# Altium PCB bqCNC.PcbDoc (part 4 of 6)
Units mm, origin at the board's own origin, x right, y up, seen from the top; angles counter-clockwise.
Board outline 136 x 100 mm, 4 copper layers (Top Layer, Power Layer, Signal Layer 1, GND Layer), stack 1.584 mm thick; 429 components, 259 nets, 1361 pads, 782 vias.
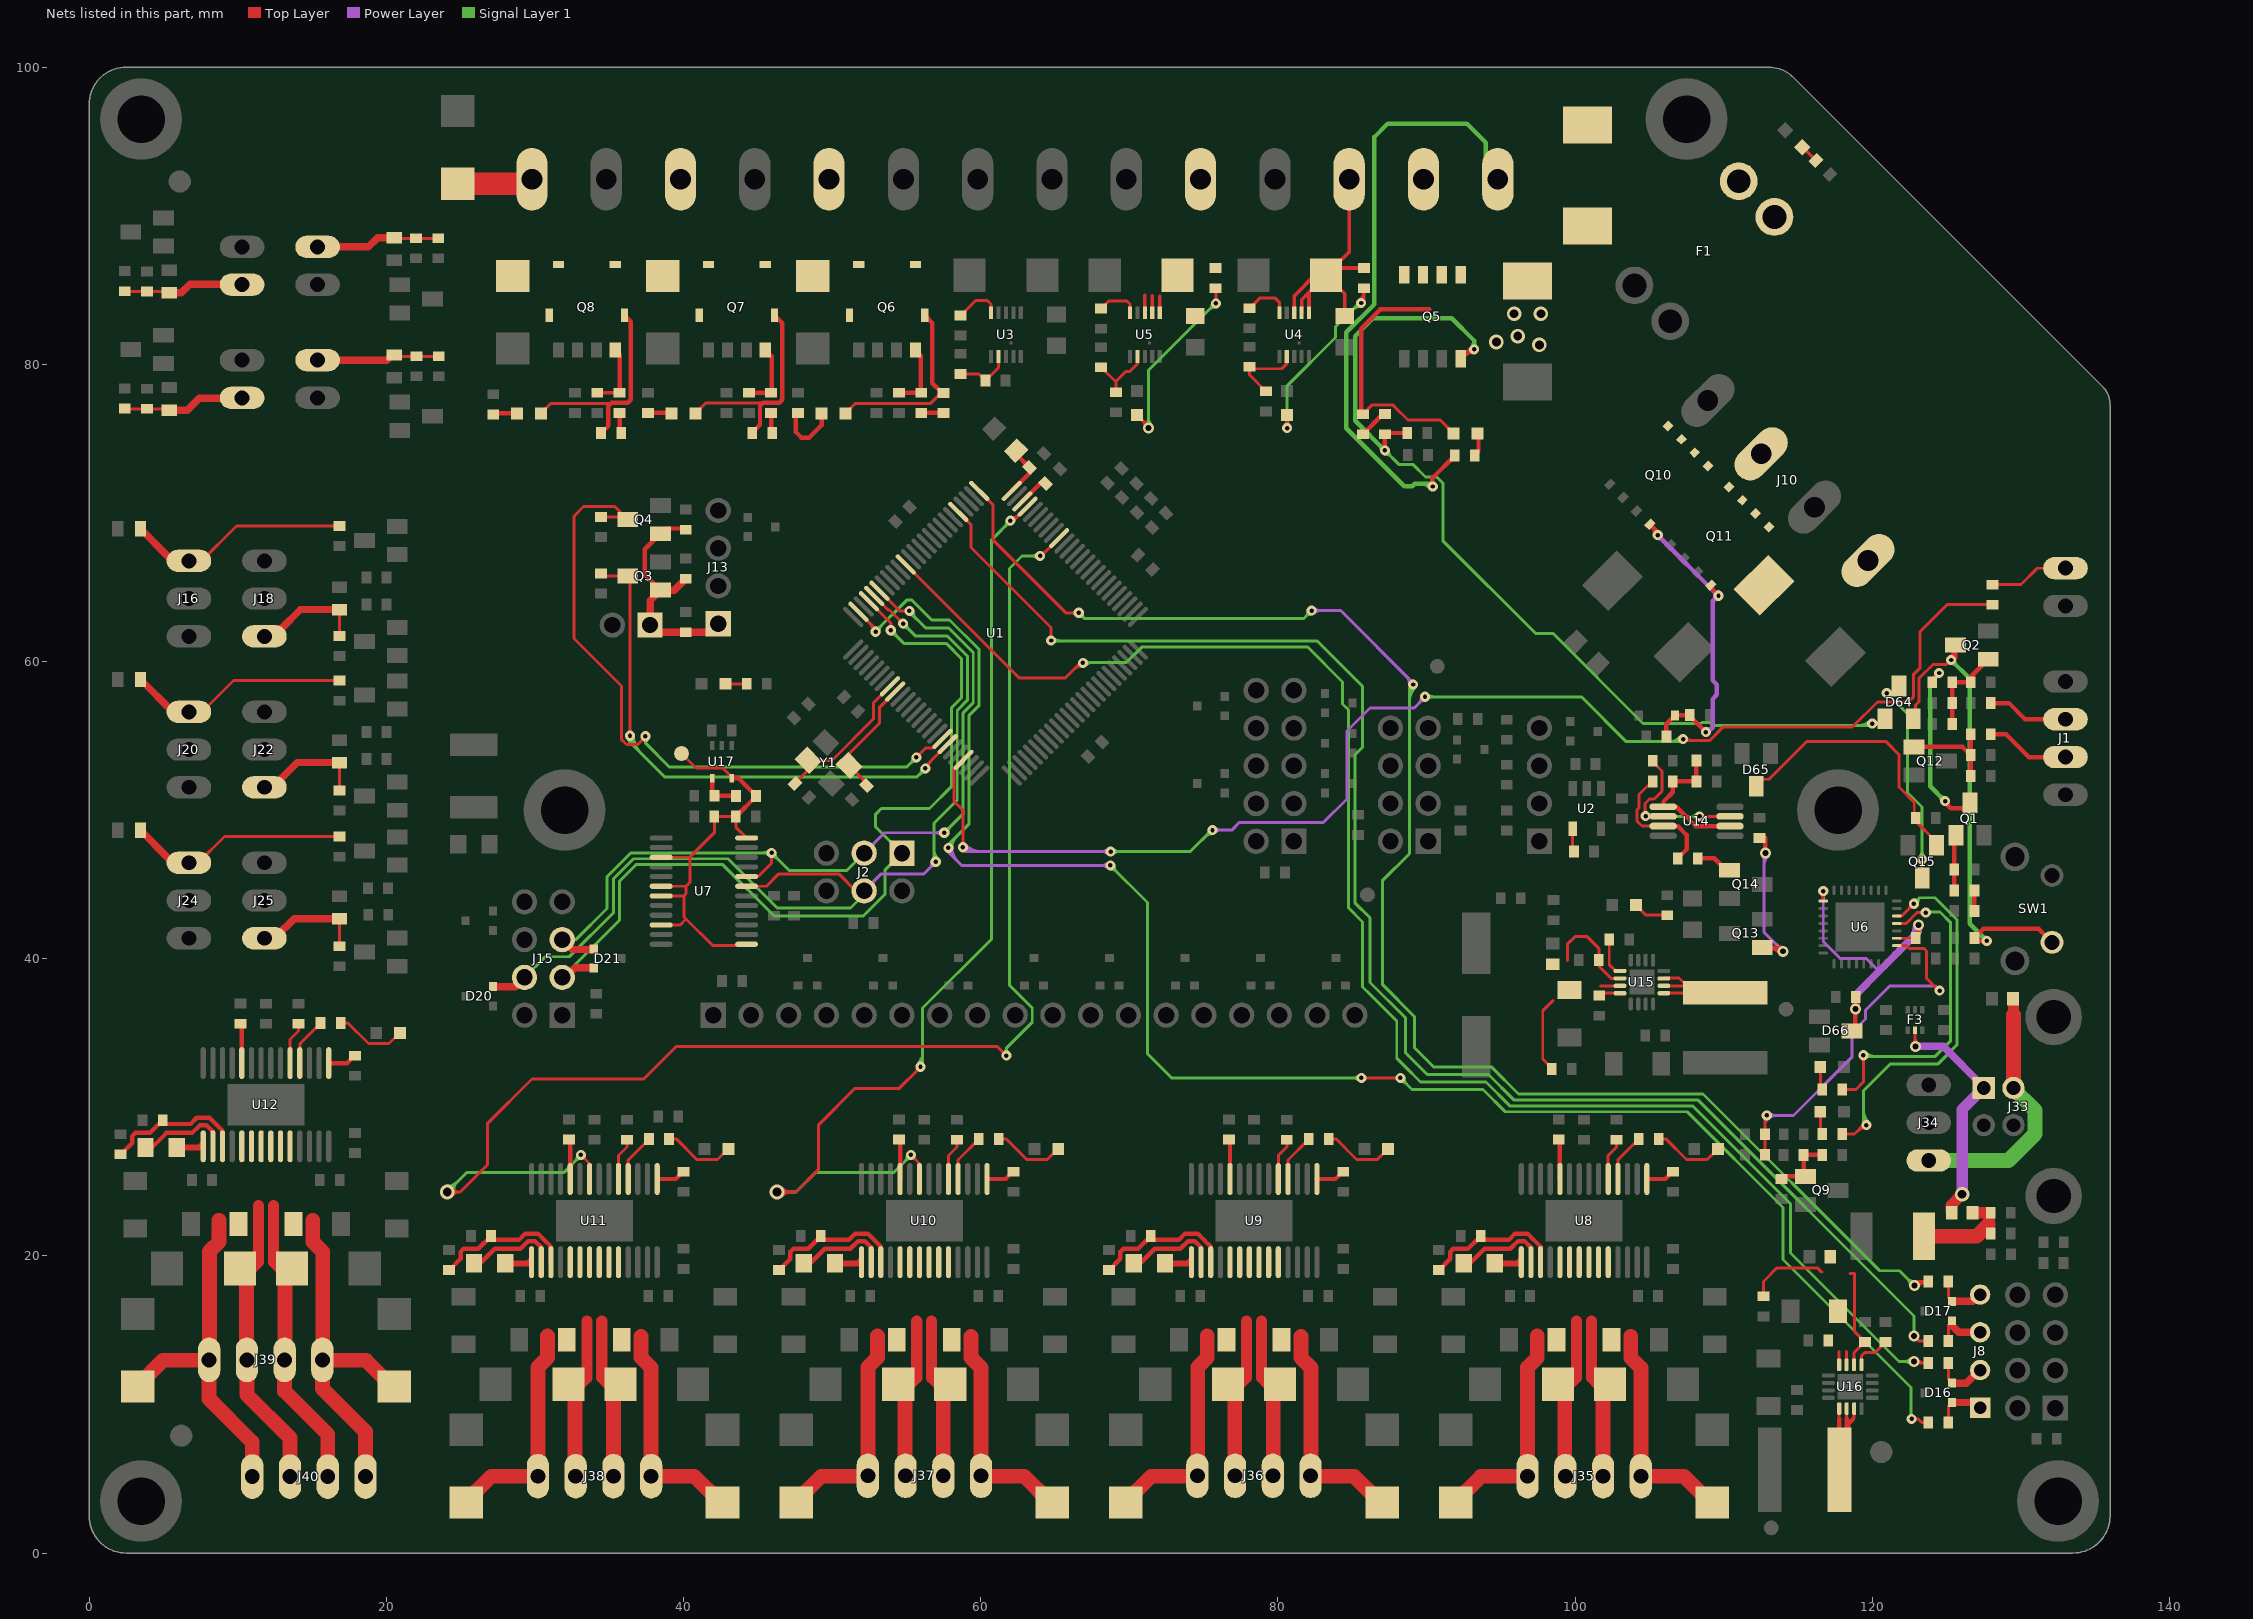
[diagram p6: the nets of this part, all layers, seen from the top]

## Via types
v1: diameter 0.66/0.74/0.74/0.66 (per signal layer), hole 0.4, Top Layer to GND Layer, 361 vias
v2: diameter 0.56/0.68/0.68/0.56 (per signal layer), hole 0.3, Top Layer to GND Layer, 323 vias
v3: diameter 0.86/0.98/0.98/0.86 (per signal layer), hole 0.6, Top Layer to GND Layer, 76 vias
v4: diameter 1, hole 0.6, Top Layer to GND Layer, tented bottom, 20 vias
v5: diameter 0.56/0.68/0.68/0.56 (per signal layer), hole 0.4, Top Layer to GND Layer, 1 vias
v6: diameter 0.56, hole 0.3, Top Layer to GND Layer, 1 vias

## Nets (pads, with @x,y where several pads share a name; then routed paths per layer and width w, separated by ;. In a path a pad name is that pad's centre, name@x,y a point inside that pad or via, vN(x,y) a via of type N, cw(c..) or ccw(c..) an arc to the next point about the centre after c; other vN are vias at no path point) (continued)
HBP_LOCK: C35.1 D64.1 Q5.4 R41.2 | length 71.5
  Top Layer w0.2: v2(120,55.825) 120.54,55.825 D64.1@120.859,56.144 ; v2@120.127,55.698 cw(c120.435,55.39) 120.435,55.825 cw(c120.435,56.26) v2@120.127,55.952
  Top Layer w0.3: v2@87.108,74.292 ccw(c86.886,74.514) 87.2,74.514 ccw(c87.514,74.514) v2@87.292,74.292 ; v2(87.2,74.2) C35.1@87.2,75.3 ; C35.1@87.2,75.4 87.225,75.375 R41.2@88.7,75.375 ; R41.2@88.6,75.5 R41.2@88.7,75.6 ; Q5.4@92.305,80.375 92.93,81 v2(93.2,81) ; Q5.4@92.517,80.587 cw(c93.2,79.904) v2@93.2,80.87
  Signal Layer 1 w0.2: v2@87.2,73.96 cw(c87.2,73.381) 87.61,73.79 cw(c88.019,74.2) v2@87.44,74.2 ; v2(87.2,74.2) 88.13,73.27 89.078,73.27 89.933,72.415 90.69,72.415 91.1,72.005 91.1,68.125 97.35,61.875 98.525,61.875 104.575,55.825 108.47,55.825 108.535,55.89 109.065,55.89 109.255,55.7 119.875,55.7 v2(120,55.825) ; 119.119,55.7 ccw(c119.119,56.706) v2@119.83,55.995 ; 119.602,55.7 ccw(c119.602,56.223) v2@119.972,55.853
  Signal Layer 1 w0.3: v2@87.01,74.2 ccw(c86.551,74.2) 86.876,74.524 ccw(c87.2,74.849) v2@87.2,74.39 ; v2(87.2,74.2) 85.2,76.2 85.2,81.9 86.4,83.1 91.7,83.1 93.2,81.6 v2(93.2,81) ; v2@93.066,81.134 ccw(c92.741,81.459) 93.2,81.459 ccw(c93.659,81.459) v2@93.334,81.134
MISO: D21.2 J2.1 J15.3 U1.22 | length 61.9
  Top Layer w0.2: U1.22@52.479,64.057 53.95,62.586 v2(53.95,62.1) ; v2@53.823,62.227 ccw(c53.515,62.535) 53.95,62.535 ccw(c54.385,62.535) v2@54.077,62.227
  Top Layer w0.5: J15.3@31.84,38.74 32.04,38.74 32.7,39.4 33.923,39.4 D21.2@33.963,39.36
  Signal Layer 1 w0.2: J15.3@31.84,38.74 35.705,42.605 35.705,45.23 36.8,46.325 42.65,46.325 46.1,42.875 52.101,42.875 53.55,44.324 53.55,45.95 J2.1@54.7,47.1 52.935,48.865 52.935,49.725 53.31,50.1 56.55,50.1 58.024,51.574 58.024,56.874 58.7,57.55 58.7,60.2 57.675,61.225 54.825,61.225 v2(53.95,62.1) ; v2@53.95,61.86 cw(c53.95,61.281) 54.36,61.69 cw(c54.769,62.1) v2@54.19,62.1
MOSI: D20.2 J2.4 J15.4 U1.21 U7.7 | length 72.7
  Top Layer w0.2: U7.7@44.25,44.875 45.584,44.875 46.419,45.71 50.444,45.71 51.594,44.56 J2.4@52.16,44.56 ; U1.21@52.833,64.41 53.775,63.468 53.857,63.468 v2(54.775,62.55) ; v2@54.595,62.55 ccw(c54.16,62.55) 54.468,62.857 ccw(c54.775,63.165) v2@54.775,62.73
  Top Layer w0.5: D20.2@27.177,38.12 28.68,38.12 J15.4@29.3,38.74
  Power Layer w0.2: J2.4@52.16,44.56 53.31,45.71 56.185,45.71 v2@56.95,46.475 ; 56.548,46.073 ccw(c56.095,46.525) v2@56.735,46.525 ; 56.608,46.133 cw(c56.975,45.766) v2@56.975,46.285
  Signal Layer 1 w0.2: J15.4@29.3,38.74 30.69,40.13 32.316,40.13 35.3,43.114 35.3,45.391 36.634,46.725 42.99,46.725 46.305,43.41 51.235,43.41 52.16,44.335 J2.4@52.16,44.56 ; v2@54.775,62.31 cw(c54.775,61.731) 55.185,62.14 cw(c55.594,62.55) v2@55.015,62.55 ; v2(54.775,62.55) 55.625,61.7 57.766,61.7 59.1,60.366 59.1,57.384 58.424,56.708 58.424,50.675 56.849,49.1 56.849,46.651 v2(56.975,46.525) ; 56.849,46.927 ccw(c57.377,46.927) v2@57.003,46.553 ; 56.849,47.41 ccw(c57.86,47.41) v2@57.145,46.695
NetC1_2: C1.2 U1.34 Y1.1 | length 8.1
  Top Layer w0.2: C1.2@52.302,51.652 52.302,51.847 Y1.1@51.149,53 51.149,53.799 53.195,55.845 53.195,56.311 53.2,56.316 53.2,56.928 U1.34@54.247,57.976
NetC2_2: C2.2 U1.33 Y1.3 | length 10.1
  Top Layer w0.2: C2.2@47.498,51.802 48.392,52.696 Y1.3@48.392,53.353 48.409,53.336 49.986,53.336 52.795,56.145 52.795,56.477 52.8,56.482 52.8,57.236 U1.33@53.894,58.329
NetC3_1: C3.1 U1.98 | length 2.1
  Top Layer w0.3: U1.98@62.803,70.774 64.012,71.983 64.014,71.985 C3.1@64.374,71.985
NetC4_2: C4.2 L1.2 U1.100 | length 3.5
  Top Layer w0.3: U1.100@62.096,71.481 63.349,72.735 C4.2@63.349,72.967 ; L1.2@62.382,74.193 62.382,73.959 C4.2@63.299,73.042
NetC9_1: C9.1 Q1.1 R4.1 | length 3.3
  Top Layer w0.2: Q1.1@125.25,47.8 125.525,47.525
  Top Layer w0.3: C9.1@125.525,44.6 R4.1@125.525,46 125.525,47.525
NetC9_2: C9.2 R3.1 | length 1.4
  Top Layer w0.3: R3.1@126.875,43.2 C9.2@126.875,44.6
NetC12_2: C12.2 Q2.1 R6.1 R7.2 R10.2 | length 5.8
  Top Layer w0.3: C12.2@125.325,57.325 125.375,57.375 R7.2@125.375,58.575 ; R10.2@125.375,55.95 C12.2@125.375,57.2 ; R7.2@125.375,58.6 R7.2@125.375,58.575 ; Q2.1@127.8,60.15 126.625,58.975 R6.1@126.625,58.6 125.4,58.6 R7.2@125.375,58.575
NetC22_1: C22.1 J13.1 J14.1 Q3.1 Q4.1 R21.1 R22.1 | length 16.2
  Top Layer w0.3: Q3.1@38.45,64.8 37.4,65.85 37.4,67.55 Q4.1@38.45,68.6 38.5,68.6 38.85,68.95 40.075,68.95 R21.1@40.15,68.875
  Top Layer w0.5: R22.1@40.15,65.575 39.375,64.8 Q3.1@38.45,64.8 37.75,64.1 J14.1@37.75,62.45 38.225,61.975 C22.1@40.15,61.975 41.771,61.975 J13.1@42.34,62.544
NetC35_2: C35.2 R106.1 | length 2
  Top Layer w0.2: C35.2@87.029,76.6 C35.2@87.2,76.6
  Top Layer w0.3: R106.1@85.725,75.296 C35.2@87.029,76.6
NetC36_1: C36.1 Q6.4 R44.2 | length 4.5
  Top Layer w0.3: R44.2@54.5,78.075 C36.1@56,78.075 55.975,78.1 55.975,80.583 Q6.4@55.605,80.953
NetC36_2: C36.2 R107.1 | length 1.4
  Top Layer w0.3: C36.2@56,76.725 57.4,76.725 R107.1@57.425,76.75
NetC37_2: C37.2 D36.K J29.1 R46.2 U4.6 U4.7 U4.8 | length 20.9
  Top Layer w0.25: U4.8@81.1,83.475 81.1,84.6 82.5,86 D36.K@83.25,86 ; U4.7@81.6,83.475 81.6,84.35 82.1,84.85 ; U4.6@82.1,83.475 82.1,84.85 ; C37.2@84.5,83.25 84.5,84.75 D36.K@83.25,86 ; J29.1@84.8,92.45 84.8,87.55 D36.K@83.725,86.475 ; R46.2@85.8,86.475 D36.K@83.725,86.475 ; 82.1,84.85 D36.K@83.25,86 ; D36.K@83.25,86 D36.K@83.725,86.475
NetC38_1: C38.1 Q7.4 R51.2 | length 4.6
  Top Layer w0.3: R51.2@44.4,78.075 C38.1@45.9,78.075 45.925,78.1 45.925,80.533 Q7.4@45.505,80.953
NetC38_2: C38.2 R108.1 | length 1.3
  Top Layer w0.3: C38.2@45.9,76.725 45.9,75.575 R108.1@46,75.475
NetC39_2: C39.2 D38.K J31.1 R53.2 U5.6 U5.7 U5.8 | length 3.4
  Top Layer w0.25: U5.8@71.05,83.475 71.05,84.65 ; U5.7@71.55,83.475 71.55,84.6 ; U5.6@72.05,83.475 72.05,84.575
NetC40_1: C40.1 Q8.4 R58.2 | length 4.5
  Top Layer w0.25: R58.2@34.2,78.075 C40.1@35.7,78.075 ; Q8.4@35.405,80.953 Q8.4@35.7,80.658
  Top Layer w0.3: C40.1@35.7,78.075 Q8.4@35.7,80.658
NetC40_2: C40.2 R109.1 | length 1.3
  Top Layer w0.3: C40.2@35.7,76.725 35.7,75.5 R109.1@35.775,75.425
NetC41_1: C41.1 C42.1 Q9.1 R60.1 | length 4.4
  Top Layer w0.3: C41.1@113.9,25.175 114.075,25.35 Q9.1@115.5,25.35 115.375,25.475 R60.1@115.375,26.8 C42.1@116.625,26.8
NetC43_2: C43.2 C44.2 F2.1 L2.2 | length 6.4
  Top Layer w0.75: L2.2@126.75,22.9 C43.2@127.9,22.9 ; 127.8,22.1 127.9,22.2 C43.2@127.9,22.7
  Top Layer w1: F2.1@123.475,21.325 127.025,21.325 127.8,22.1
NetC45_2: C45.2 C112.2 D66.3 U6.1 U6.19 | length 24.9
  Top Layer w0.2: v2@116.573,44.423 cw(c116.265,44.115) 116.7,44.115 cw(c117.135,44.115) v2@116.827,44.423 ; U6.1@116.7,43.875 v2(116.7,44.55) ; U6.19@121.65,41.375 122.875,41.375 C45.2@122.95,41.45
  Top Layer w0.3: D66.3@118.643,35.141 118.85,35.348 v1@118.85,36.575 ; v1@118.755,36.48 cw(c118.524,36.249) v1@118.85,36.249 ; 118.85,36.095 cw(c119.393,36.095) v1@119.009,36.48 ; C45.2@122.85,41.4 123.1,41.65 v1(123.1,42.275) ; v1@122.973,42.148 cw(c122.665,41.84) 123.1,41.84 cw(c123.535,41.84) v1@123.227,42.148
  Top Layer w0.5: v1(118.882,36.607) C112.2@118.882,37.434
  Power Layer w0.2: v2@116.53,44.38 cw(c116.121,43.971) 116.7,43.971 cw(c117.279,43.971) v2@116.87,44.38 ; v2(116.7,44.55) 116.7,41.15 117.825,40.025 119.575,40.025 120.45,39.15
  Power Layer w0.5: v1(118.882,36.607) 118.882,37.582 120.45,39.15 123.1,41.8 v1(123.1,42.275) v1@123.1,42.35 ; 122.559,41.259 ccw(c121.544,42.275) v1@122.98,42.275
NetC54_2: C54.2 R64.1 R115.2 TP5.1 U7.1 U7.12 U7.15 U7.18 U7.19 U7.22 U17.5 | length 31
  Top Layer w0.2: U7.22@38.5,42.275 39.775,42.275 40.175,42.675 ; U7.19@38.5,44.225 40.025,44.225 40.175,44.375 ; U7.18@38.5,44.875 40.175,44.875 ; U7.15@38.5,46.825 40.425,46.825 ; TP5.1@39.865,53.806 40.846,52.825 42.65,52.825 U17.5@43.25,52.225 ; U7.1@44.25,40.975 44.175,40.9 41.95,40.9 40.175,42.675 ; U7.12@44.25,48.125 43.522,48.853 R64.1@43.522,49.56 C54.2@42.072,49.56 42.072,48.472 40.425,46.825 ; 40.175,42.675 40.022,42.828 40.022,44.222 40.175,44.375 ; 40.175,44.375 40.175,44.875 ; 40.175,44.875 40.425,45.125 40.425,46.825
  Top Layer w0.3: U17.5@43.235,52.144 43.706,52.144 R115.2@44.8,51.05 ; R64.1@43.522,49.56 R115.2@44.875,50.913
NetC55_1: C55.1 U8.2 | length 5.3
  Top Layer w0.3: C55.1@92.5,19.496 92.93,19.496 93.905,20.471 95.633,20.471 96.162,21 96.596,21 97.021,20.575 U8.2@97.025,20.575
NetC55_2: C55.2 U8.1 | length 1.8
  Top Layer w0.4: C55.2@94.6,19.496 96.121,19.496 U8.1@96.35,19.725
NetC56_2: C56.2 R66.1 U8.3 | length 9.8
  Top Layer w0.3: R66.1@90.85,19.05 91.6,19.8 91.6,20.266 91.805,20.471 92.792,20.471 C56.2@93.646,21.325 ; C56.2@93.525,21.075 95.529,21.075 95.954,21.5 96.804,21.5 97.229,21.075 97.232,21.075 97.679,20.628 U8.3@97.679,19.575
NetC62_2: C62.2 U8.15 | length 2
  Top Layer w0.3: U8.15@104.829,25.175 106.075,25.175 C62.2@106.6,25.7
NetC64_1: C64.1 U9.2 | length 5.3
  Top Layer w0.3: C64.1@70.3,19.496 70.73,19.496 71.705,20.471 73.433,20.471 73.962,21 74.396,21 74.821,20.575 U9.2@74.825,20.575
NetC64_2: C64.2 U9.1 | length 1.8
  Top Layer w0.4: C64.2@72.4,19.496 73.921,19.496 U9.1@74.15,19.725
NetC65_2: C65.2 R75.1 U9.3 | length 9.8
  Top Layer w0.3: R75.1@68.65,19.05 69.4,19.8 69.4,20.266 69.605,20.471 70.592,20.471 C65.2@71.446,21.325 ; C65.2@71.325,21.075 73.329,21.075 73.754,21.5 74.604,21.5 75.029,21.075 75.032,21.075 75.479,20.628 U9.3@75.479,19.575
NetC71_2: C71.2 U9.15 | length 2
  Top Layer w0.3: U9.15@82.629,25.175 83.875,25.175 C71.2@84.4,25.7
NetC73_1: C73.1 U10.2 | length 5.3
  Top Layer w0.3: C73.1@48.1,19.496 48.53,19.496 49.505,20.471 51.233,20.471 51.762,21 52.196,21 52.621,20.575 U10.2@52.625,20.575
NetC73_2: C73.2 U10.1 | length 1.8
  Top Layer w0.4: C73.2@50.2,19.496 51.721,19.496 U10.1@51.95,19.725
NetC74_2: C74.2 R82.1 U10.3 | length 9.8
  Top Layer w0.3: R82.1@46.45,19.05 47.2,19.8 47.2,20.266 47.405,20.471 48.392,20.471 C74.2@49.246,21.325 ; C74.2@49.125,21.075 51.129,21.075 51.554,21.5 52.404,21.5 52.829,21.075 52.832,21.075 53.279,20.628 U10.3@53.279,19.575
NetC80_2: C80.2 U10.15 | length 2
  Top Layer w0.3: U10.15@60.429,25.175 61.675,25.175 C80.2@62.2,25.7
NetC82_1: C82.1 U11.2 | length 5.3
  Top Layer w0.3: C82.1@25.9,19.496 26.33,19.496 27.305,20.471 29.033,20.471 29.562,21 29.996,21 30.421,20.575 U11.2@30.425,20.575
NetC82_2: C82.2 U11.1 | length 1.8
  Top Layer w0.4: C82.2@28,19.496 29.521,19.496 U11.1@29.75,19.725
NetC83_2: C83.2 R94.1 U11.3 | length 9.8
  Top Layer w0.3: R94.1@24.25,19.05 25,19.8 25,20.266 25.205,20.471 26.192,20.471 C83.2@27.046,21.325 ; C83.2@26.925,21.075 28.929,21.075 29.354,21.5 30.204,21.5 30.629,21.075 30.632,21.075 31.079,20.628 U11.3@31.079,19.575
NetC89_2: C89.2 U11.15 | length 2
  Top Layer w0.3: U11.15@38.229,25.175 39.475,25.175 C89.2@40,25.7
NetC91_1: C91.1 U12.2 | length 5.3
  Top Layer w0.3: C91.1@3.8,27.296 4.23,27.296 5.205,28.271 6.933,28.271 7.462,28.8 7.896,28.8 8.321,28.375 U12.2@8.325,28.375
NetC91_2: C91.2 U12.1 | length 1.8
  Top Layer w0.4: C91.2@5.9,27.296 7.421,27.296 U12.1@7.65,27.525
NetC92_2: C92.2 R120.1 U12.3 | length 9.8
  Top Layer w0.3: R120.1@2.15,26.85 2.9,27.6 2.9,28.066 3.105,28.271 4.092,28.271 C92.2@4.946,29.125 ; C92.2@4.825,28.875 6.829,28.875 7.254,29.3 8.104,29.3 8.529,28.875 8.532,28.875 8.979,28.428 U12.3@8.979,27.375
NetC95_1: C95.1 D61.A Q10.4 Q11.4 R91.2 | length 26.1
  Top Layer w0.3: Q10.4@105.027,69.233 105.661,68.6 v2(105.561,68.5) ; Q10.4@105.198,69.063 cw(c104.634,68.5) v2@105.431,68.5 ; C95.1@106.15,54.95 106.15,55.806 D61.A@106.719,56.375 107.7,56.375 R91.2@107.725,56.4 107.725,56.325 v2(108.8,55.25) ; v2@108.67,55.25 ccw(c108.356,55.25) 108.578,55.472 ccw(c108.8,55.694) v2@108.8,55.38 ; Q11.4@109.127,65.133 109.127,64.973 109.75,64.35 v2@109.75,64.5 ; 109.41,64.69 cw(c109.146,64.425) v2@109.52,64.425
  Power Layer w0.3: v2@105.561,68.31 cw(c105.561,67.851) 105.885,68.176 cw(c106.21,68.5) v2@105.751,68.5 ; v2(105.561,68.5) 109.618,64.443 109.25,64.075 ; v2(108.8,55.25) 108.95,55.25 109.25,55.55 ; v2@108.844,55.435 ccw(c108.944,55.856) 109.25,55.55 ; 109.302,64.759 ccw(c109.65,65.108) v2@109.65,64.615 ; 109.336,64.725 cw(c109.035,64.425) 109.46,64.425 cw(c109.122,64.425) 109.361,64.186 ; v2@109.647,64.235 ccw(c109.637,63.688) 109.25,64.075 ; 109.25,55.55 109.25,57.462 109.54,57.752 109.54,58.448 109.25,58.738 109.25,64.075
  other v2: 109.65,64.425
NetC97_2: C97.2 Q12.1 R93.1 R96.1 | length 6.9
  Top Layer w0.3: Q12.1@122.8,54.25 126.075,54.25 C97.2@126.625,53.7 ; R96.1@126.625,52.3 C97.2@126.625,53.7 ; R93.1@126.625,55.1 C97.2@126.625,53.7
NetC101_2: C101.2 C104.2 C114.2 L6.2 R104.1 U15.10 U15.11 U15.12 | length 14.4
  Top Layer w0.2: R104.1@98.425,32.575 98.425,32.65 97.825,33.25 97.825,36.5 98.5,37.175 ; 99.475,39.875 99.475,40.966 99.989,41.48 100.82,41.48 101.6,40.7 C104.2@101.6,39.9 101.6,39.5 102.425,38.675 U15.10@103.025,38.675 ; 101.725,38.175 U15.11@103.025,38.175 ; C114.2@101.775,37.675 U15.12@103.025,37.675
NetC105_2: C105.2 U15.9 | length 2.3
  Top Layer w0.2: C105.2@102.3,41.3 102.3,39.6 U15.9@102.7,39.2
NetC107_2: C107.2 C110.2 C115.2 L7.2 R105.1 U16.10 U16.11 U16.12 | length 14.2
  Top Layer w0.2: R105.1@112.675,17.275 112.675,18.275 113.596,19.196 116.299,19.196 116.303,19.2 116.603,18.9 ; U16.12@117.775,12.675 117.775,13.55 ; U16.11@118.275,12.675 118.275,13.55 ; 118.5,18.8 118.8,18.8 118.8,14.9 C110.2@119.5,14.2 118.775,13.475 U16.10@118.775,12.675
NetC111_2: C111.2 U16.9 | length 2.6
  Top Layer w0.2: U16.9@119.275,12.675 119.275,13.275 119.5,13.5 120.2,13.5 C111.2@120.9,14.2
NetC113_2: C113.2 R114.2 U6.18 | length 26.9
  Top Layer w0.2: R114.2@112.782,26.809 112.782,28.057 C113.2@112.85,28.125 ; C113.2@112.782,28.185 112.782,29.307 112.9,29.425 v2(112.9,29.45) ; 112.782,28.73 cw(c113.62,28.73) v2@113.027,29.323 ; U6.18@121.65,40.875 122.301,40.875 122.476,40.7 123.475,40.7 123.65,40.525 123.65,38.675 124.525,37.8 v2(124.525,37.85) ; 124.132,38.193 ccw(c124.525,38.585) v2@124.525,38.03 ; 124.253,38.072 cw(c124.031,37.85) v2@124.345,37.85
  Power Layer w0.2: v2(112.9,29.45) 114.7,29.45 118.65,33.4 118.65,33.475 118.65,35.035 119.552,35.937 119.552,36.527 121.2,38.175 124.2,38.175 v2(124.525,37.85) ; v2@113.07,29.28 cw(c113.479,28.871) 113.479,29.45 cw(c113.479,30.029) v2@113.07,29.62
NetC126_2: C126.2 U12.15 | length 2
  Top Layer w0.3: U12.15@16.129,32.975 17.375,32.975 C126.2@17.9,33.5
NetD16_1: D16.1 J8.1 R15.2 | length 3.4
  Top Layer w0.2: R15.2@125.123,8.784 125.123,9.884 D16.1@125.373,10.134
  Top Layer w0.5: D16.1@125.373,10.134 126.866,10.134 J8.1@127.22,9.78
NetD16_2: D16.2 J8.2 R16.2 | length 3.7
  Top Layer w0.2: R16.2@125.123,12.784 125.123,11.684 D16.2@125.373,11.434
  Top Layer w0.5: D16.2@125.373,11.434 126.334,11.434 J8.2@127.22,12.32
NetD17_1: D17.1 J8.3 R17.2 | length 3.8
  Top Layer w0.2: R17.2@125.123,14.284 125.123,15.384 D17.1@125.373,15.634
  Top Layer w0.5: D17.1@125.373,15.634 125.373,15.297 125.81,14.86 J8.3@127.22,14.86
NetD17_2: D17.2 J8.4 R18.2 | length 3.5
  Top Layer w0.2: R18.2@125.123,18.284 125.123,17.184 D17.2@125.373,16.934
  Top Layer w0.5: D17.2@125.373,16.934 126.754,16.934 J8.4@127.22,17.4
NetD33_A: D33.A D34.K J26.2 LD2.K Q5.5 Q5.6 Q5.7 Q5.8 R106.2 | length 18.1
  Top Layer w0.2: R106.2@85.725,76.646 86.354,77.275 87.724,77.275 87.9,77.099 ; 87.901,77.099 88.75,76.25 90.925,76.25 LD2.K@91.775,75.4
  Top Layer w0.3: R106.2@85.675,76.55 85.6,76.625 85.6,82.4 86.9,83.7 90.2,83.7
  other v3: 97.6,81.3 94.7,81.5 96.143,81.9 95.9,83.4 97.7,83.4
NetD33_K: D33.K F1.2 J26.1 R37.2 | length 44.1
  Top Layer w0.3: 90.4,72.149 ccw(c90.799,72.149) v2@90.517,71.867 ; v2(90.425,71.775) 90.4,71.8 90.4,72.35 R37.2@91.9,73.85 R37.2@91.95,73.85
  Signal Layer 1 w0.3: v2@90.263,71.676 ccw(c89.746,71.359) 89.746,71.965 ; v2(90.425,71.775) 90.235,71.965 89.746,71.965 ; J26.1@93.89,91.59 J26.1@94.8,92.5 ; J26.1@94.8,92.45 94.775,92.475 94,93.25 94,94.9 92.7,96.2 87.4,96.2 86.5,95.3 86.5,84.049 84.6,82.149 84.6,75.7 88.5,71.8 89.04,71.8 89.209,71.968 89.743,71.968 89.746,71.965
NetD35_K: D35.K J28.2 LD3.K Q6.5 Q6.6 Q6.7 Q6.8 R107.2 | length 12.6
  Top Layer w0.2: LD3.K@50.9,76.7 51.55,77.35 56.6,77.35 R107.2@57.35,78.1
  Top Layer w0.3: Q6.6@56.227,83.296 56.75,82.773 56.75,78.725 R107.2@57.325,78.15
NetD37_K: D37.K J30.2 LD5.K Q7.5 Q7.6 Q7.7 Q7.8 R108.2 | length 14.3
  Top Layer w0.2: LD5.K@40.8,76.7 41.5,77.4 45.225,77.4
  Top Layer w0.3: R108.2@44.625,75.4 45.15,75.925 45.15,77.195 45.355,77.4 46.445,77.4 46.65,77.605 46.65,82.773 Q7.6@46.127,83.296
NetD39_A: D39.A D40.K J32.2 LD7.K Q8.5 Q8.6 Q8.7 Q8.8 R109.2 | length 19.7
  Top Layer w0.2: LD7.K@30.4,76.7 31.05,77.35 35.075,77.35
  Top Layer w0.3: R109.2@34.45,75.35 34.95,75.85 34.95,77.195 35.155,77.4 36.245,77.4 36.45,77.605 36.45,82.873 Q8.6@36.027,83.296
  Top Layer w1.5: D39.A@24.8,92.15 29.5,92.15 J32.2@29.8,92.45
NetD41_K: D41.K J35.3 U8.7 | length 10.8
  Top Layer w0.75: D41.K@99.25,10.95 100.1,11.8 100.1,15.6
  Top Layer w1: D41.K@99.25,10.95 99.3,10.9 J35.3@99.3,5.2
NetD42_K: D42.K J35.4 U8.5 | length 15.3
  Top Layer w1: D42.K@91.9,3.4 93.675,5.175 J35.4@96.805,5.175 96.805,12.505 97.45,13.15 97.45,14.6
NetD43_K: D43.K J35.2 U8.8 | length 11.3
  Top Layer w0.75: 101.1,15.6 101.1,11.8 101.55,11.35 D43.K@102.35,11.35
  Top Layer w1: J35.2@101.885,5.175 101.885,10.785 D43.K@102.2,11.1
NetD44_K: D44.K J35.1 U8.10 | length 14.9
  Top Layer w1: 103.75,14.575 103.75,13.15 104.425,12.475 J35.1@104.425,5.175 107.325,5.175 D44.K@109,3.5
NetD45_K: D45.K J36.3 U9.7 | length 10.8
  Top Layer w0.75: D45.K@77.05,10.95 77.9,11.8 77.9,15.6
  Top Layer w1: D45.K@77.05,10.95 77.1,10.9 J36.3@77.1,5.2
NetD46_K: D46.K J36.4 U9.5 | length 15.3
  Top Layer w1: D46.K@69.7,3.4 71.475,5.175 74.605,5.175 74.605,12.505 75.25,13.15 75.25,14.6
NetD47_K: D47.K J36.2 U9.8 | length 11.3
  Top Layer w0.75: 78.9,15.6 78.9,11.8 79.35,11.35 D47.K@80.15,11.35
  Top Layer w1: J36.2@79.685,5.175 79.685,10.785 D47.K@80,11.1
NetD48_K: D48.K J36.1 U9.10 | length 14.9
  Top Layer w1: 81.55,14.575 81.55,13.15 82.225,12.475 82.225,5.175 85.125,5.175 D48.K@86.8,3.5
NetD49_K: D49.K J37.3 U10.7 | length 10.8
  Top Layer w0.75: D49.K@54.85,10.95 55.7,11.8 55.7,15.6
  Top Layer w1: D49.K@54.85,10.95 54.9,10.9 J37.3@54.9,5.2
NetD50_K: D50.K J37.4 U10.5 | length 15.3
  Top Layer w1: D50.K@47.5,3.4 49.275,5.175 52.405,5.175 52.405,12.505 53.05,13.15 53.05,14.6
NetD51_K: D51.K J37.2 U10.8 | length 11.3
  Top Layer w0.75: 56.7,15.6 56.7,11.8 57.15,11.35 D51.K@57.95,11.35
  Top Layer w1: J37.2@57.485,5.175 57.485,10.785 D51.K@57.8,11.1
NetD52_K: D52.K J37.1 U10.10 | length 14.9
  Top Layer w1: 59.35,14.575 59.35,13.15 60.025,12.475 60.025,5.175 62.925,5.175 D52.K@64.6,3.5
NetD53_K: D53.K J38.3 U11.7 | length 10.8
  Top Layer w0.75: D53.K@32.65,10.95 33.5,11.8 33.5,15.6
  Top Layer w1: D53.K@32.65,10.95 32.7,10.9 J38.3@32.7,5.2
NetD54_K: D54.K J38.4 U11.5 | length 15.3
  Top Layer w1: D54.K@25.3,3.4 27.075,5.175 J38.4@30.205,5.175 30.205,12.505 30.85,13.15 30.85,14.6
NetD55_K: D55.K J38.2 U11.8 | length 11.3
  Top Layer w0.75: 34.5,15.6 34.5,11.8 34.95,11.35 D55.K@35.75,11.35
  Top Layer w1: J38.2@35.285,5.175 35.285,10.785 D55.K@35.6,11.1
NetD56_K: D56.K J38.1 U11.10 | length 14.9
  Top Layer w1: 37.15,14.575 37.15,13.15 37.825,12.475 J38.1@37.825,5.175 40.725,5.175 D56.K@42.4,3.5
NetD57_K: D57.K J39.3 J40.3 U12.7 | length 19.8
  Top Layer w0.75: D57.K@10.55,18.75 11.4,19.6 11.4,23.4
  Top Layer w1: D57.K@10.55,18.75 10.6,18.7 J39.3@10.6,13 ; J39.3@10.62,13 10.62,10.655 13.52,7.755 J40.3@13.52,5.15
NetD58_K: D58.K J39.4 J40.4 U12.5 | length 24.4
  Top Layer w1: D58.K@3.2,11.2 4.975,12.975 8.105,12.975 8.105,20.305 8.75,20.95 8.75,22.4 ; J39.4@8.08,12.975 8.08,10.37 10.98,7.47 J40.4@10.98,5.15
NetD59_K: D59.K J39.2 J40.2 U12.8 | length 20.3
  Top Layer w0.75: 12.4,23.4 12.4,19.6 12.85,19.15 D59.K@13.65,19.15
  Top Layer w1: J39.2@13.16,13 13.16,10.89 16.06,7.99 J40.2@16.06,5.15 ; J39.2@13.185,12.975 13.185,18.585 D59.K@13.5,18.9
NetD60_K: D60.K J39.1 J40.1 U12.10 | length 24